# Altium PCB SVPXFMC_Carrier_6U.PcbDoc (part 1 of 3)
Units mm, origin at the board's own origin, x right, y up, seen from the top; angles counter-clockwise.
Board outline 160 x 233.35 mm, 4 copper layers (TopLayer, InternalPlane1, InternalPlane2, BottomLayer), stack 1.6 mm thick; 93 components, 1080 nets, 3926 pads, 0 vias.
Unrouted connection lines stored in the file: 1293.
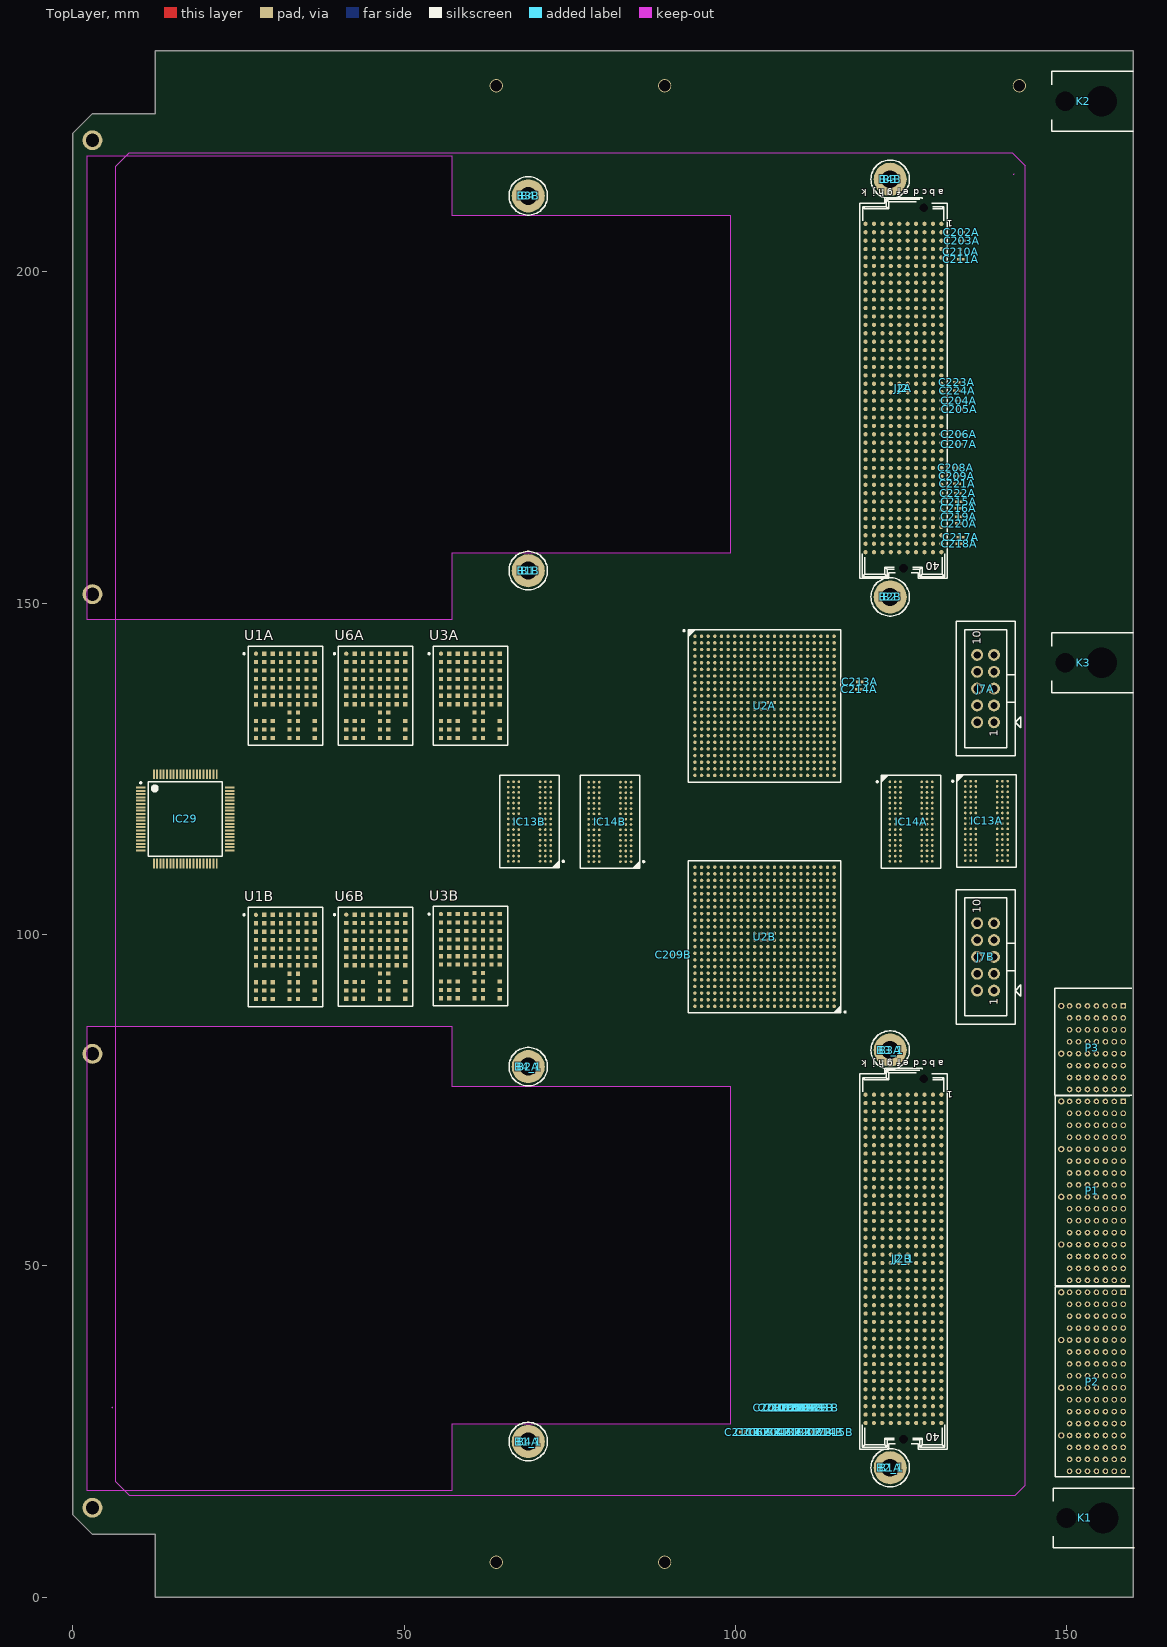
[diagram p0: TopLayer view]
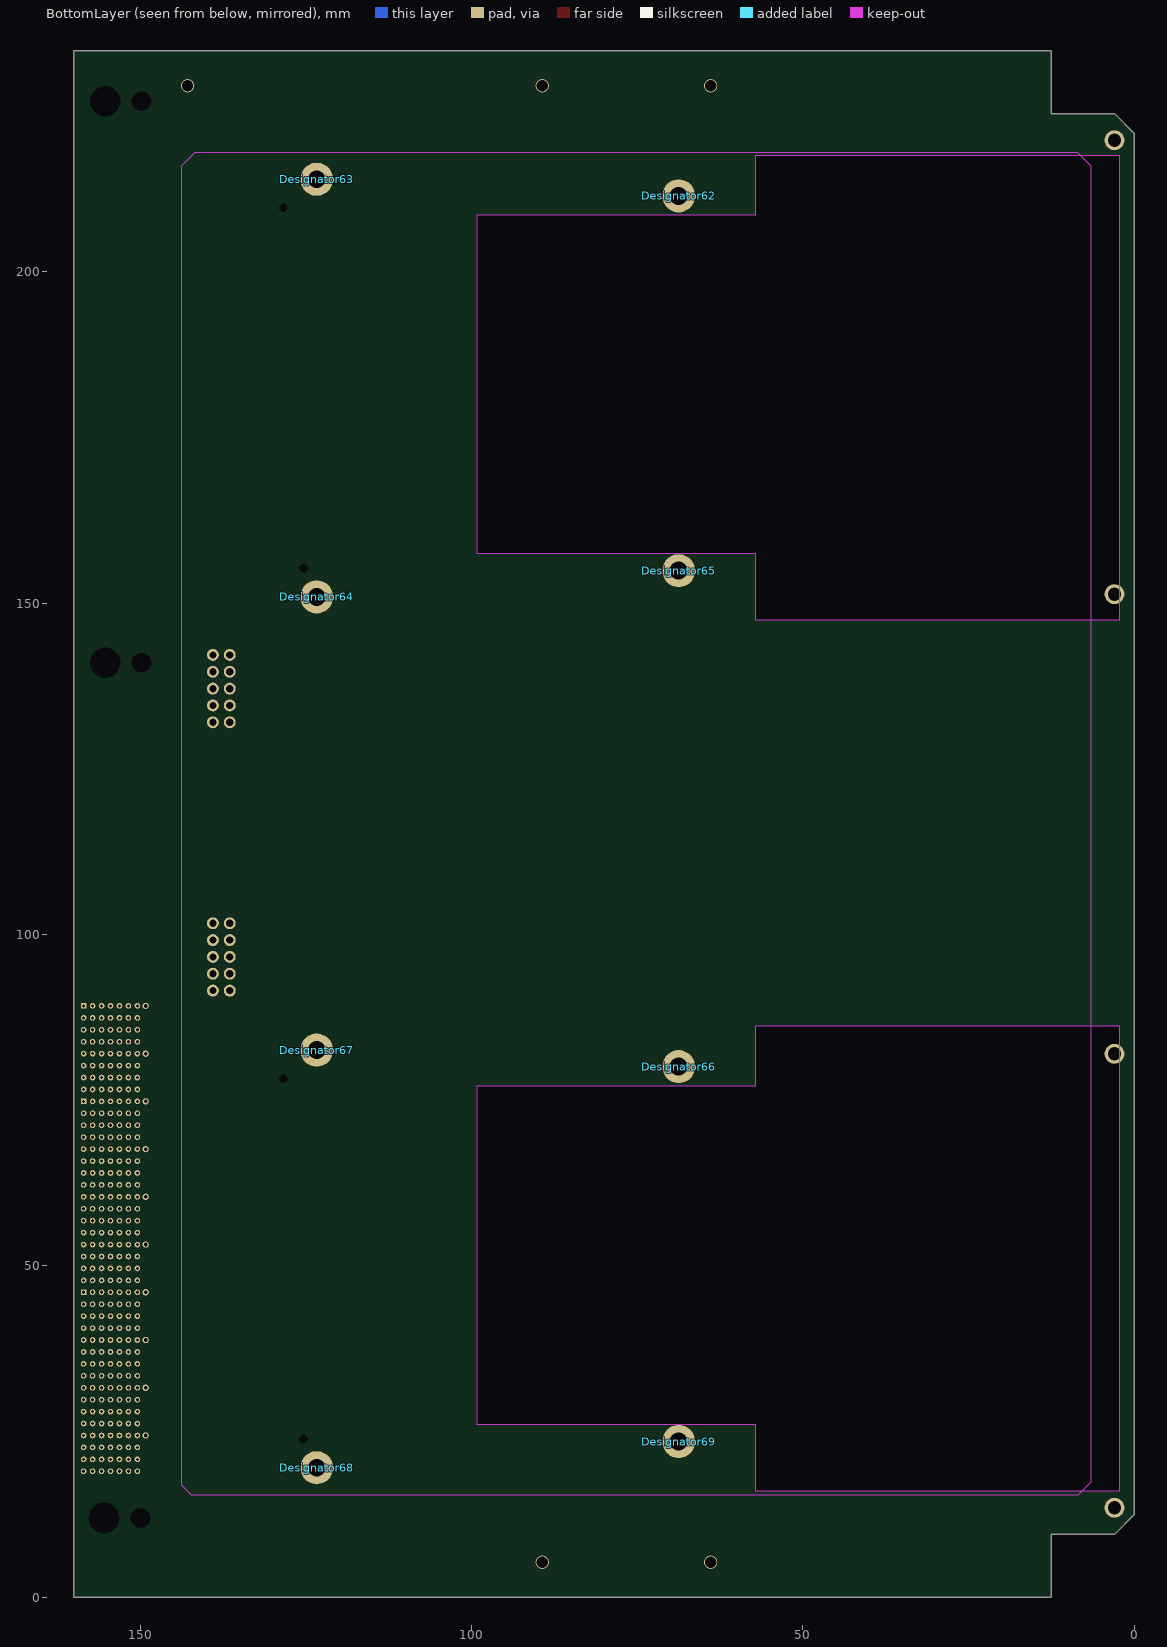
[diagram p1: BottomLayer view, seen from below]
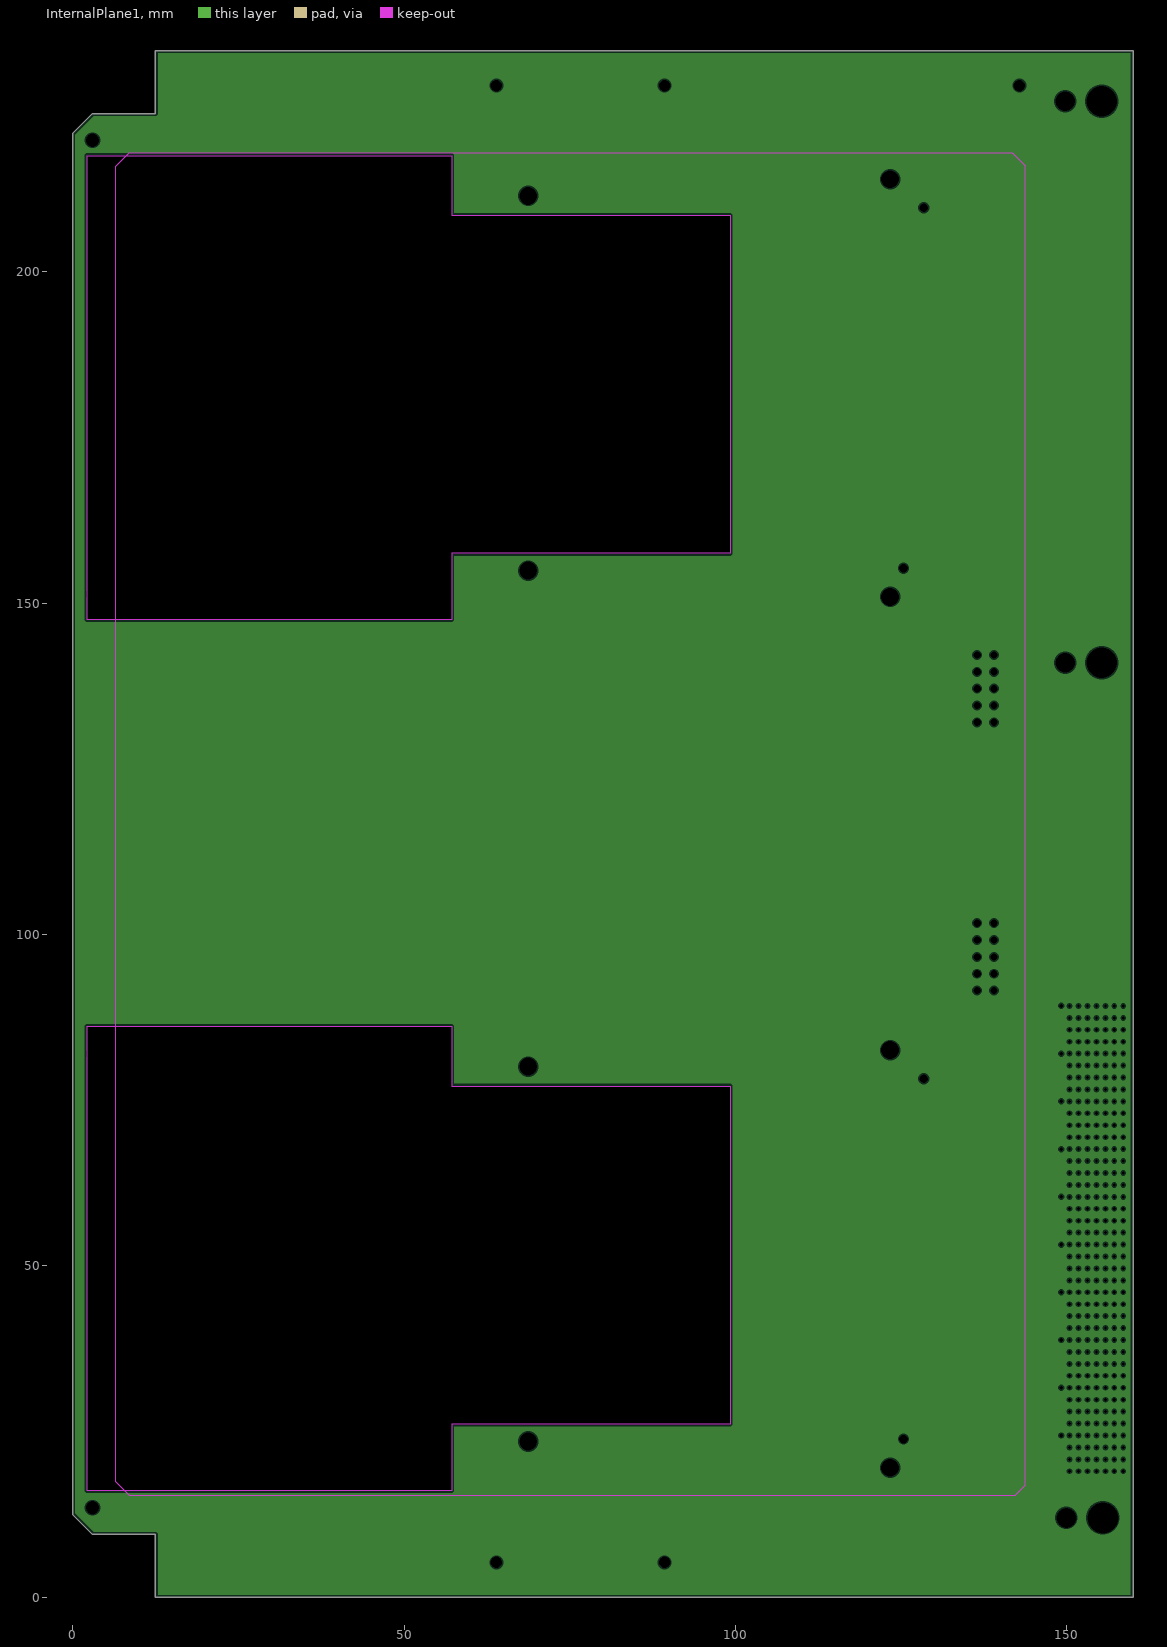
[diagram p2: InternalPlane1, clearances drawn from the general rule]
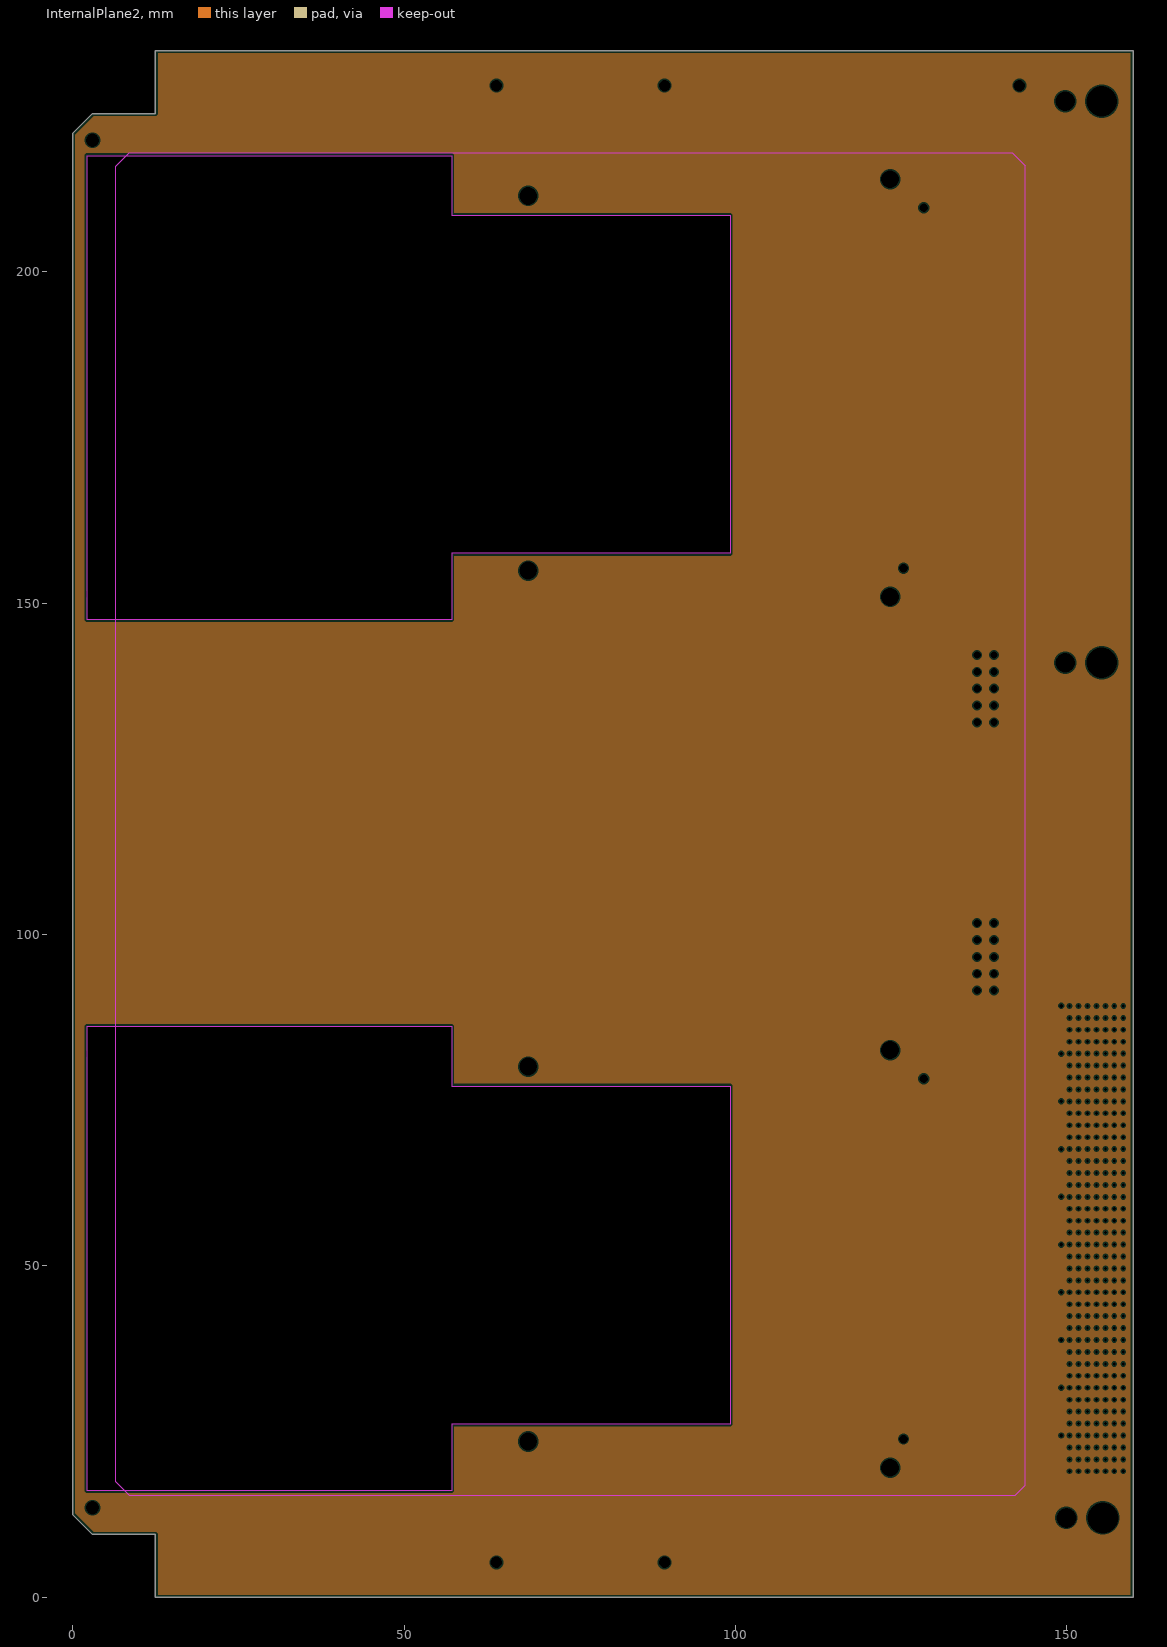
[diagram p3: InternalPlane2, clearances drawn from the general rule]

## Layer stack, top to bottom
TopSolder: solder mask 0.0102, Solder Resist, Dk 3.5
TopLayer: signal copper 0.0178
Dielectric1: core 0.569, FR-4, Dk 4.8
InternalPlane1: plane copper 0.0356
Dielectric2: prepreg 0.3553, FR-4, Dk 4.8
InternalPlane2: plane copper 0.0356
Dielectric3: core 0.569, FR-4, Dk 4.8
BottomLayer: signal copper 0.0178
BottomSolder: solder mask 0.0102, Solder Resist, Dk 3.5

## Board outline
0,12.5 0,220.85 3,223.85 12.5,223.85 12.5,233.35 160,233.35 160,0 12.5,0 12.5,9.5 3,9.5
cut-out: 99.196,77.13 99.196,26.13 57.196,26.13 57.196,16.13 2.196,16.13 2.196,86.13 57.194,86.13 57.196,77.13
cut-out: 99.196,208.5 99.196,157.5 57.196,157.5 57.196,147.5 2.196,147.5 2.196,217.5 57.194,217.5 57.196,208.5

## Design rules (kind name [scope] priority, off if disabled: settings)
AcuteAngle [All] p1 off: minimum=6.00000000000000E+0001 checktracksonly=FALSE
AssemblyTestPointUsage [All] p1 off:
AssemblyTestpoint [All] p1 off: testpointundercomponent=TRUE minsize=1.016 maxsize=2.54 preferedsize=1.524 minholesize=0 maxholesize=1.016 preferedholesize=0.813 testpointgrid=0.025 usegrid=TRUE gridtolerance=0 allowsidetop=TRUE allowsidebottom=TRUE
Clearance Clearance_poly_gnd [(InPolygon AND InNet('GND'))] p1 off: gap=0.6 ignorepadtopadclearanceinfootprint=FALSE except(0: Arc-Hole Track-Hole SMDPad-Hole THPad-Hole Via-Hole Fill-Hole Poly-Hole Region-Hole Text-Hole)
Clearance Clearance_poly [InPolygon] p2 off: gap=0.152 ignorepadtopadclearanceinfootprint=FALSE except(0: Arc-Hole Track-Hole SMDPad-Hole THPad-Hole Via-Hole Fill-Hole Poly-Hole Region-Hole Text-Hole)
Clearance [All] p3: gap=0.127 ignorepadtopadclearanceinfootprint=FALSE except(0: Arc-Hole Track-Hole SMDPad-Hole THPad-Hole Via-Hole Fill-Hole Poly-Hole Region-Hole Text-Hole)
ComponentClearance [Not InComponentClass('Board Template Connector') vs Not InComponentClass('Board Template Connector')] p1 off: gap=0.254 collisioncheckmode=3 verticalgap=0.254 showdistances=FALSE
DiffPairsRouting [All] p1 off: maxlimit=0.18 minlimit=0.17 mostfreqgap=0.178 toplayer_minwidth=0.381 toplayer_maxwidth=0.381 toplayer_prefwidth=0.381 bottomlayer_minwidth=0.381 bottomlayer_maxwidth=0.381 bottomlayer_prefwidth=0.381 maxuncoupledlength=30
FabricationTestPointUsage [All] p1 off: valid=0 allowmultiple=FALSE
FabricationTestpoint [(IsPad And (OnTopLayer Or OnBottomLayer))] p1 off: side=3 testpointundercomponent=TRUE minsize=1.016 maxsize=2.54 preferedsize=1.524 minholesize=0 maxholesize=1.016 preferedholesize=0.813 testpointgrid=0.025 allowsidetop=TRUE allowsidebottom=TRUE usegrid=TRUE gridtolerance=0
FanoutControl Fanout_BGA [IsBGA] p1 off: bgadir=Out bgaviamode=Centered fanoutstyle=Auto fanoutdirection=Alternating viagrid=0.025 // Fanout_BGA (Default Rule)
FanoutControl Fanout_LCC [IsLCC] p2 off: bgadir=Out bgaviamode=Centered fanoutstyle=Auto fanoutdirection=Alternating viagrid=0.025 // Fanout_LCC (Default Rule)
FanoutControl Fanout_SOIC [IsSOIC] p3 off: bgadir=Out bgaviamode=Centered fanoutstyle=Auto fanoutdirection=Alternating viagrid=0.025 // Fanout_SOIC (Default Rule)
FanoutControl Fanout_Small [(CompPinCount < 5)] p4 off: bgadir=Out bgaviamode=Centered fanoutstyle=Auto fanoutdirection=OutThenIn viagrid=0.025 // Fanout_Small (Default Rule)
FanoutControl Fanout_Default [All] p5 off: bgadir=Out bgaviamode=Centered fanoutstyle=Auto fanoutdirection=Alternating viagrid=0.025 // Fanout_Default (Default Rule)
Height "VPX, Page 90, \"Component Area Front\"- Top" [TouchesRoom('Component Area Front')] p1 off: minheight=0 maxheight=13.72 prefheight=13.72
Height "VPX, Page 90, \"Component Area Back\"- Bottom" [TouchesRoom('Component Area Back')] p2 off: minheight=0 maxheight=2.46 prefheight=2.46
HoleSize [All] p1 off: absolutevalues=TRUE maxlimit=5 minlimit=0.15 maxpercent=80.000 minpercent=20.000
HoleToHoleClearance [All] p1 off: gap=0.15 allowstackedmicrovias=TRUE
LayerPairs [All] p1 off: enforce=TRUE
Length "'Default' PADS rule" [All] p1 off: maxlimit=1270 minlimit=0
MatchedLengths "'Default' PADS rule_7" [InNetClass('All Nets')] p1 off: tolerance=5.08 checknetsindiffpair=TRUE checkdiffpairvsdiffpair=FALSE checkxsignals=FALSE checkothers=FALSE
MinimumAnnularRing [All] p1 off: minimumring=0.1
MinimumSolderMaskSliver [All] p1 off: minsoldermaskwidth=0.05
MinimumSolderMaskSliver SilkscreenOverComponentPads [All] p2 off: minsoldermaskwidth=0.254
NetAntennae [All] p1 off: netantennaetolerance=0
ParallelSegment "'Default' PADS rule_3" [All] p1 off: limit=25.4 gap=5.08
ParallelSegment "'Default' PADS rule_2" [All] p2 off: limit=25.4 gap=5.08
PasteMaskExpansion [All] p1 off: expansion=0
PlaneClearance [All] p1 off: clearance=0.203
PlaneConnect PlaneConnect_pad [(InPadClass('All Pads'))] p1 off: planeconnectstyle=Relief reliefexpansion=0.152 reliefentries=4 reliefconductorwidth=0.152 reliefairgap=0.203
PlaneConnect [All] p2 off: planeconnectstyle=Direct reliefexpansion=0.508 reliefentries=4 reliefconductorwidth=0.254 reliefairgap=0.254
PolygonConnect PolygonConnect_pad [(InPadClass('All Pads'))] p1 off: connectstyle=Relief reliefconductorwidth=0.254 reliefentries=4 polygonreliefangle="90 Angle" airgapwidth=0.254
PolygonConnect [All] p2 off: connectstyle=Direct reliefconductorwidth=0.254 reliefentries=4 polygonreliefangle="90 Angle" airgapwidth=0.254
RoutingCorners [All] p1 off: cornerstyle=45-Degree minsetback=2.54 maxsetback=2.54
RoutingLayers "'Default' PADS rule_10" [All] p1 off: top layer_v5=TRUE bottom layer_v5=TRUE
RoutingPriority "'Default' PADS rule_9" [All] p1 off: routingpriority=0
RoutingTopology "'Default' PADS rule_8" [All] p1 off: topology=Shortest
RoutingVias via [All] p1 off: holewidth=0.2 width=0.5 viastyle="Through Hole" minholewidth=0.2 minwidth=0.5 maxholewidth=0.5 maxwidth=1
SMDToPlane "'Default' PADS rule_16" [All] p1 off: distance=20000
ShortCircuit [All] p1 off: allowed=FALSE
SilkToSilkClearance [All] p1 off: silktosilkclearance=0
SilkToSolderMaskClearance [IsPad] p1 off: minsilkscreentomaskgap=0.254 clearancetoexposedcopper=TRUE
SolderMaskExpansion "Solder Mask Expansion from CAM settings" [All] p1 off: expansion=0.051
UnRoutedNet [All] p1 off:
UnpouredPolygon [All] p1 off:
ViasUnderSMD [All] p1 off: allowed=FALSE
Width diff [(InDifferentialPairClass('All Differential Pairs'))] p1: maxlimit=0.13 minlimit=0.12 preferedwidth=0.127 minimp=50.000000 maximp=50.000000 favimp=50.000000
Width [All] p2 off: maxlimit=0.762 minlimit=0.127 preferedwidth=0.152 minimp=50.000000 maximp=50.000000 favimp=50.000000
1 further rules are at their usual default settings.

## Classes and differential pairs
net class SpW_B_out: SpW_B_Dout_N SpW_B_Dout_P SpW_B_Sout_N SpW_B_Sout_P
net class SpW_B_in: SpW_B_Din_N SpW_B_Din_P SpW_B_Sin_N SpW_B_Sin_P
net class SpW_A_out: SpW_A_Dout_N SpW_A_Dout_P SpW_A_Sout_N SpW_A_Sout_P
net class SpW_A_in: SpW_A_Din_N SpW_A_Din_P SpW_A_Sin_N SpW_A_Sin_P
net class Power: P1V0 P1V0_CORE P1V2 P1V2_DDR P1V8 P1V8_LDO P2V5_Buck VADJA VADJB
net class FMC_LA: LA00_CCA_N LA00_CCA_P LA00_CCB_N LA00_CCB_P LA01_CCA_N LA01_CCA_P LA01_CCB_N LA01_CCB_P LA02A_N LA02A_P LA02B_N LA02B_P LA03A_N LA03A_P LA03B_N LA03B_P LA04A_N LA04A_P LA04B_N LA04B_P LA05A_N LA05A_P LA05B_N LA05B_P LA06A_N LA06A_P LA06B_N LA06B_P LA07A_N LA07A_P LA07B_N LA07B_P LA08A_N LA08A_P LA08B_N LA08B_P LA09A_N LA09A_P LA09B_N LA09B_P LA10A_N LA10A_P LA10B_N LA10B_P LA11A_N LA11A_P LA11B_N LA11B_P LA12A_N LA12A_P LA12B_N LA12B_P LA13A_N LA13A_P LA13B_N LA13B_P LA14A_N LA14A_P LA14B_N LA14B_P LA15A_N LA15A_P LA15B_N LA15B_P LA16A_N LA16A_P LA16B_N LA16B_P LA17_CCA_N LA17_CCA_P LA17_CCB_N LA17_CCB_P LA18_CCA_N LA18_CCA_P LA18_CCB_N LA18_CCB_P LA19A_N LA19A_P LA19B_N LA19B_P LA20A_N LA20A_P LA20B_N LA20B_P LA21A_N LA21A_P LA21B_N LA21B_P LA22A_N LA22A_P LA22B_N LA22B_P LA23A_N LA23A_P LA23B_N LA23B_P LA24A_N LA24A_P LA24B_N LA24B_P LA25A_N LA25A_P LA25B_N LA25B_P LA26A_N LA26A_P LA26B_N LA26B_P LA27A_N LA27A_P LA27B_N LA27B_P LA28A_N LA28A_P LA28B_N LA28B_P LA29A_N LA29A_P LA29B_N LA29B_P LA30A_N LA30A_P LA30B_N LA30B_P LA31A_N LA31A_P LA31B_N LA31B_P LA32A_N LA32A_P LA32B_N LA32B_P LA33A_N LA33A_P LA33B_N LA33B_P
net class DDR_DQ: DDR4_DM0A DDR4_DM0B DDR4_DM1A DDR4_DM1B DDR4_DM2A DDR4_DM2B DDR4_DM3A DDR4_DM3B DDR4_DQ0A DDR4_DQ0B DDR4_DQ1A DDR4_DQ1B DDR4_DQ2A DDR4_DQ2B DDR4_DQ3A DDR4_DQ3B DDR4_DQ4A DDR4_DQ4B DDR4_DQ5A DDR4_DQ5B DDR4_DQ6A DDR4_DQ6B DDR4_DQ7A DDR4_DQ7B DDR4_DQ8A DDR4_DQ8B DDR4_DQ9A DDR4_DQ9B DDR4_DQ10A DDR4_DQ10B DDR4_DQ11A DDR4_DQ11B DDR4_DQ12A DDR4_DQ12B DDR4_DQ13A DDR4_DQ13B DDR4_DQ14A DDR4_DQ14B DDR4_DQ15A DDR4_DQ15B DDR4_DQ16A DDR4_DQ16B DDR4_DQ17A DDR4_DQ17B DDR4_DQ18A DDR4_DQ18B DDR4_DQ19A DDR4_DQ19B DDR4_DQ20A DDR4_DQ20B DDR4_DQ21A DDR4_DQ21B DDR4_DQ22A DDR4_DQ22B DDR4_DQ23A DDR4_DQ23B DDR4_DQ24A DDR4_DQ24B DDR4_DQ25A DDR4_DQ25B DDR4_DQ26A DDR4_DQ26B DDR4_DQ27A DDR4_DQ27B DDR4_DQ28A DDR4_DQ28B DDR4_DQ29A DDR4_DQ29B DDR4_DQ30A DDR4_DQ30B DDR4_DQ31A DDR4_DQ31B DDR4_DQS0_CA DDR4_DQS0_CB DDR4_DQS0_TA DDR4_DQS0_TB DDR4_DQS1_CA DDR4_DQS1_CB DDR4_DQS1_TA DDR4_DQS1_TB DDR4_DQS2_CA DDR4_DQS2_CB DDR4_DQS2_TA DDR4_DQS2_TB DDR4_DQS3_CA DDR4_DQS3_CB DDR4_DQS3_TA DDR4_DQS3_TB
net class DDR_ADDR_CTRL: DDR4_A0A DDR4_A0B DDR4_A1A DDR4_A1B DDR4_A2A DDR4_A2B DDR4_A3A DDR4_A3B DDR4_A4A DDR4_A4B DDR4_A5A DDR4_A5B DDR4_A6A DDR4_A6B DDR4_A7A DDR4_A7B DDR4_A8A DDR4_A8B DDR4_A9A DDR4_A9B DDR4_A10A DDR4_A10B DDR4_A11A DDR4_A11B DDR4_A12A DDR4_A12B DDR4_A13A DDR4_A13B DDR4_A14_WE_BA DDR4_A14_WE_BB DDR4_A15_CAS_BA DDR4_A15_CAS_BB DDR4_A16_RAS_BA DDR4_A16_RAS_BB DDR4_ACT_BA DDR4_ACT_BB DDR4_ALERT_BA DDR4_ALERT_BB DDR4_BA0A DDR4_BA0B DDR4_BA1A DDR4_BA1B DDR4_BG0A DDR4_BG0B DDR4_CK_CA DDR4_CK_CB DDR4_CK_TA DDR4_CK_TB DDR4_CKEA DDR4_CKEB DDR4_CS_BA DDR4_CS_BB DDR4_ODTA DDR4_ODTB DDR4_PARA DDR4_PARB DDR4_TENA DDR4_TENB
channel class Interface_Protection: Interface_prot_A Interface_prot_B
channel class "FPGA Supply": "U_FPGA Supply1" "U_FPGA Supply2"
channel class "FPGA SDRAM bank": "U_FPGA SDRAM bank1" "U_FPGA SDRAM bank2"
channel class FPGA_RGMII_Misc: FPGA_RGMII_Misc1 FPGA_RGMII_Misc2
channel class FPGA_MGT: FPGA_MGT1 FPGA_MGT2
channel class FPGA_FMC: FPGA_FMC1 FPGA_FMC2
channel class FMC_connector: U_FMC_connector1 U_FMC_connector2
channel class FMC_Carrier_channel: "FMC Carrier Channel1" "FMC Carrier Channel2"
channel class Decoupling_caps: U_Decoupling_caps1 U_Decoupling_caps2
channel class "DDR4 SDRAM": "U_DDR4 SDRAM1" "U_DDR4 SDRAM2"
channel class Channel_supply: "Supply for FPGA, FMC and SDRAM1" "Supply for FPGA, FMC and SDRAM2"
channel class CAN_IFC: U_CAN_IFC1 U_CAN_IFC2
component class "U_FPGA Supply2": J20B
component class "U_FPGA Supply1": J20A
component class U_Decoupling_caps2: C176B
component class U_Decoupling_caps1: C176A
component class U_CAN_IFC2: D25B
component class U_CAN_IFC1: D25A
component class FPGA_RGMII_Misc2: Y1B
component class FPGA_RGMII_Misc1: Y1A
component class FPGA_FMC2: J25B J27B J28B
component class FPGA_FMC1: J25A J27A J28A
net class GPIO_B[1..4]: GPIO_B1 GPIO_B2 GPIO_B3 GPIO_B4
net class GPIO_A[1..4]: GPIO_A1 GPIO_A2 GPIO_A3 GPIO_A4
component class U_MSP_Telemetry: IC8 IC29
component class U_HDN_Management: K1 K2 K3 P3
component class U_HDN_Control_Data: P1 P2
component class "FPGA config1": J1_U_FPGA_CONFIG1 J7A U6A
component class "FPGA config2": J1_U_FPGA_CONFIG2 J7B U6B
component class U_FMC_connector1: B1A B2A B3A B4A C183A C193A C194A J2A
component class U_FMC_connector2: B1B B2B B3B B4B C183B C193B C194B J2B
component class FPGA_MGT1: C202A C203A C204A C205A C206A C207A C208A C209A C210A C211A C213A C214A C215A C216A C217A C218A C219A C220A C221A C222A C223A C224A U2A
component class FPGA_MGT2: C202B C203B C204B C205B C206B C207B C208B C209B C210B C211B C213B C214B C215B C216B C217B C218B C219B C220B C221B C222B C223B C224B U2B
component class "U_DDR4 SDRAM1": IC13A IC14A U2_U_FPGA_TOP1
component class "U_DDR4 SDRAM2": IC13B IC14B U2_U_FPGA_TOP2
component class "Supply for FPGA, FMC and SDRAM1": IC4A R167A U1A U3A U6A
component class "Supply for FPGA, FMC and SDRAM2": IC4B R167B U1B U3B U6B
channel class FPGA_CONFIG: "FPGA config1" "FPGA config2"
differential pair REF_CLK_AB: +REF_CLK_AB_P -REF_CLK_AB_N
differential pair LA33B: +LA33B_P -LA33B_N
differential pair LA33A: +LA33A_P -LA33A_N
differential pair LA32B: +LA32B_P -LA32B_N
differential pair LA32A: +LA32A_P -LA32A_N
differential pair LA31B: +LA31B_P -LA31B_N
differential pair LA31A: +LA31A_P -LA31A_N
differential pair LA30B: +LA30B_P -LA30B_N
differential pair LA30A: +LA30A_P -LA30A_N
differential pair LA29B: +LA29B_P -LA29B_N
differential pair LA29A: +LA29A_P -LA29A_N
differential pair LA28B: +LA28B_P -LA28B_N
differential pair LA28A: +LA28A_P -LA28A_N
differential pair LA27B: +LA27B_P -LA27B_N
differential pair LA27A: +LA27A_P -LA27A_N
differential pair LA26B: +LA26B_P -LA26B_N
differential pair LA26A: +LA26A_P -LA26A_N
differential pair LA25B: +LA25B_P -LA25B_N
differential pair LA25A: +LA25A_P -LA25A_N
differential pair LA24B: +LA24B_P -LA24B_N
differential pair LA24A: +LA24A_P -LA24A_N
differential pair LA23B: +LA23B_P -LA23B_N
differential pair LA23A: +LA23A_P -LA23A_N
differential pair LA22B: +LA22B_P -LA22B_N
differential pair LA22A: +LA22A_P -LA22A_N
differential pair LA21B: +LA21B_P -LA21B_N
differential pair LA21A: +LA21A_P -LA21A_N
differential pair LA20B: +LA20B_P -LA20B_N
differential pair LA20A: +LA20A_P -LA20A_N
differential pair LA19B: +LA19B_P -LA19B_N
differential pair LA19A: +LA19A_P -LA19A_N
differential pair LA18_CCB: +LA18_CCB_P -LA18_CCB_N
differential pair LA18_CCA: +LA18_CCA_P -LA18_CCA_N
differential pair LA17_CCB: +LA17_CCB_P -LA17_CCB_N
differential pair LA17_CCA: +LA17_CCA_P -LA17_CCA_N
differential pair LA16B: +LA16B_P -LA16B_N
differential pair LA16A: +LA16A_P -LA16A_N
differential pair LA15B: +LA15B_P -LA15B_N
differential pair LA15A: +LA15A_P -LA15A_N
differential pair LA14B: +LA14B_P -LA14B_N
differential pair LA14A: +LA14A_P -LA14A_N
differential pair LA13B: +LA13B_P -LA13B_N
differential pair LA13A: +LA13A_P -LA13A_N
differential pair LA12B: +LA12B_P -LA12B_N
differential pair LA12A: +LA12A_P -LA12A_N
differential pair LA11B: +LA11B_P -LA11B_N
differential pair LA11A: +LA11A_P -LA11A_N
differential pair LA10B: +LA10B_P -LA10B_N
differential pair LA10A: +LA10A_P -LA10A_N
differential pair LA09B: +LA09B_P -LA09B_N
differential pair LA09A: +LA09A_P -LA09A_N
differential pair LA08B: +LA08B_P -LA08B_N
differential pair LA08A: +LA08A_P -LA08A_N
differential pair LA07B: +LA07B_P -LA07B_N
differential pair LA07A: +LA07A_P -LA07A_N
differential pair LA06B: +LA06B_P -LA06B_N
differential pair LA06A: +LA06A_P -LA06A_N
differential pair LA05B: +LA05B_P -LA05B_N
differential pair LA05A: +LA05A_P -LA05A_N
differential pair LA04B: +LA04B_P -LA04B_N
differential pair LA04A: +LA04A_P -LA04A_N
differential pair LA03B: +LA03B_P -LA03B_N
differential pair LA03A: +LA03A_P -LA03A_N
differential pair LA02B: +LA02B_P -LA02B_N
differential pair LA02A: +LA02A_P -LA02A_N
differential pair LA01_CCB: +LA01_CCB_P -LA01_CCB_N
differential pair LA01_CCA: +LA01_CCA_P -LA01_CCA_N
differential pair LA00_CCB: +LA00_CCB_P -LA00_CCB_N